# Allegro board FMDEMOD-Long.brd (continued)
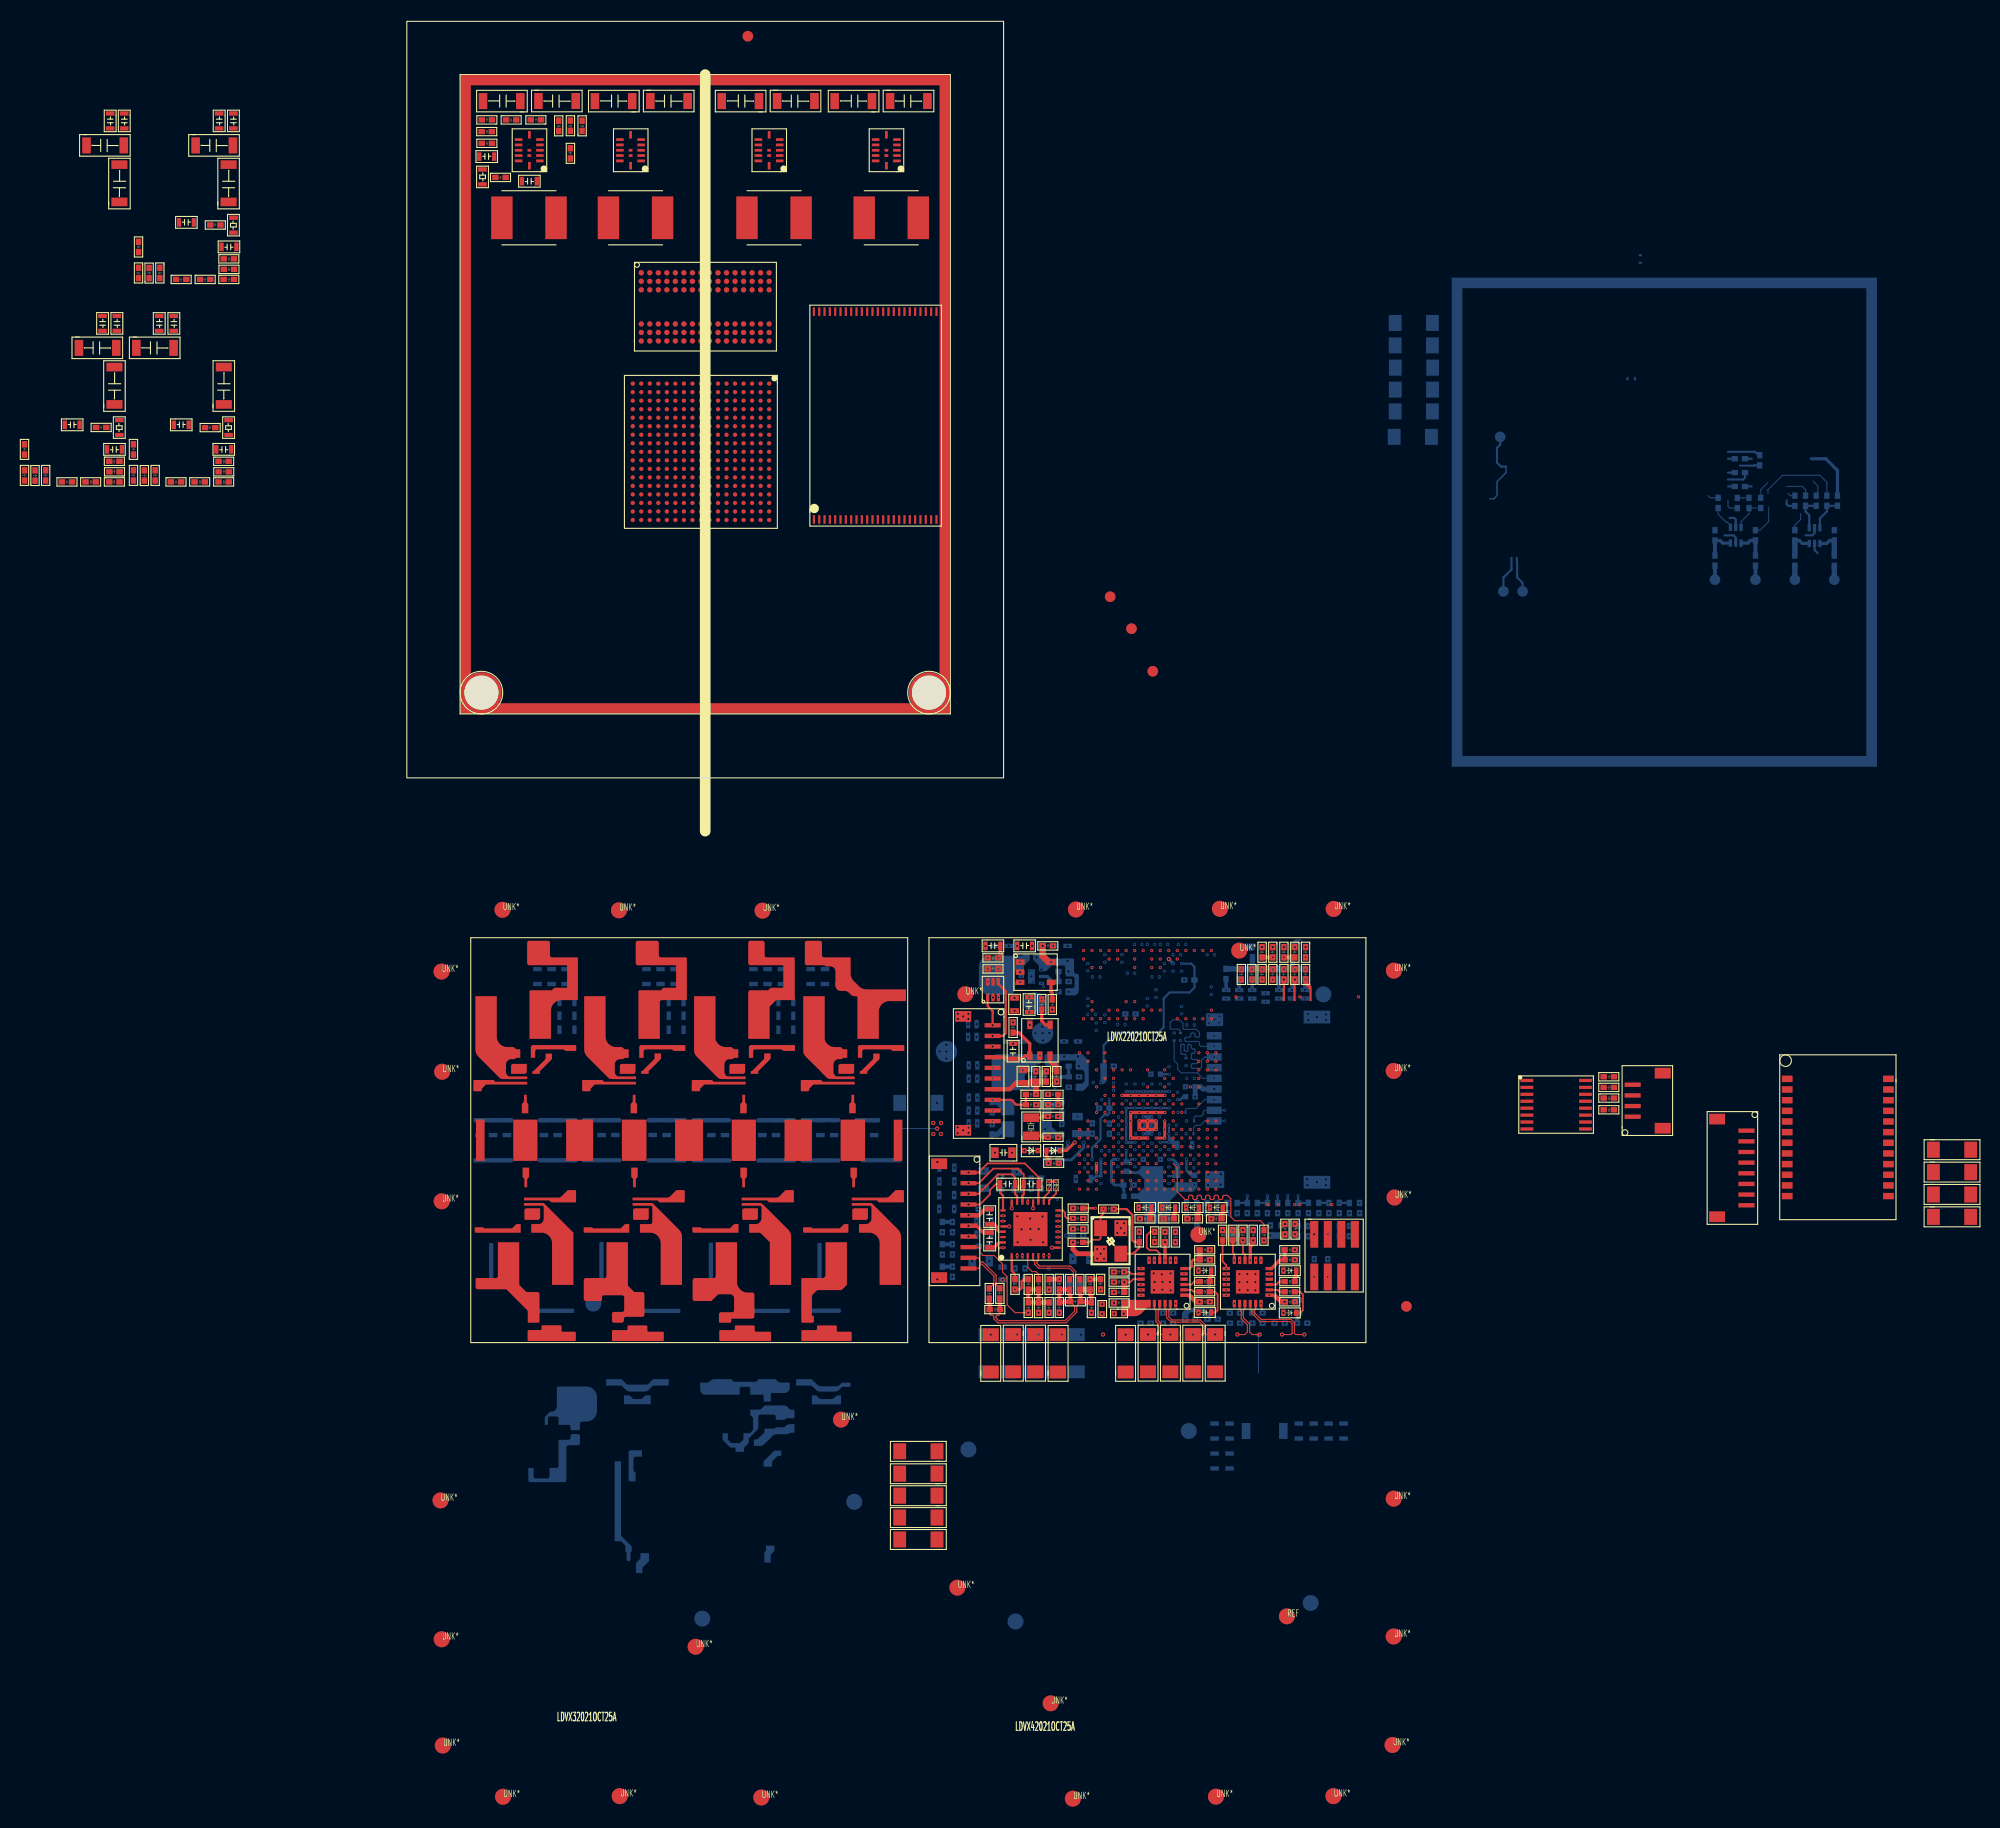
[diagram p0: board, top side]
## Copper pours and planes (outline as drawn; the poured copper is in the pictures) (continued)
DRAM_VREF on BOTTOM (solid shape): 65.68,-28.38 65.67,-28.46 65.62,-28.53 65.47,-28.68 65.4,-28.73 65.33,-28.74 65.02,-28.74 65.02,-28.44 65.02,-28.44 65.07,-28.37 65.08,-28.3 65.08,-26.81 65.68,-26.81
HP_L on TOP (solid shape): 56.2,-43.69 55.78,-43.69 55.7,-43.71 55.64,-43.75 55.12,-44.27 55.1,-44.28 54.3,-44.28 54.3,-43.88 55.02,-43.88 55.09,-43.86 55.16,-43.82 55.43,-43.55 55.49,-43.51 55.57,-43.49 56.2,-43.49
HP_R on TOP (solid shape): 55.44,-42.01 55.48,-42.08 55.5,-42.15 55.5,-42.33 55.51,-42.41 55.56,-42.47 55.58,-42.49 56.2,-42.49 56.2,-42.69 55.58,-42.69 55.51,-42.68 55.44,-42.64 55.36,-42.55 55.31,-42.49 55.3,-42.41 55.3,-42.32 55.28,-42.24 55.24,-42.17 55.2,-42.13 55.13,-42.09 55.06,-42.07 54.3,-42.07 54.3,-41.67 55.1,-41.67
Net_1 on PWR-L6: 85.5,-66.63 89.83,-66.63 89.9,-66.57 89.9,-62.56 89.78,-62.44 75.11,-62.44 74.57,-62.99 74.57,-70.97 73.43,-72.11 73.01,-72.11 73.01,-73.62 73.03,-73.63 73.03,-74.72 73.01,-74.74 73.01,-75.85 72.58,-76.28 71.01,-76.28 70.78,-76.04 70,-76.04 69.46,-75.51 69.46,-73.91 69.18,-73.63 68.28,-73.63 68.2,-73.71 68.2,-75.01 67.95,-75.26 67.95,-75.78 67.79,-75.94 62.31,-75.94 62.28,-75.91 62.28,-73.63 62.2,-73.54 61.54,-73.54 61.42,-73.66 61.42,-77.01 61.69,-77.28 76.36,-77.28 76.69,-76.95 78.33,-76.95 78.4,-76.88 78.55,-76.73 78.55,-76.15 79.09,-75.61 83.25,-75.61 83.96,-74.89 83.96,-72.56 83.35,-71.94 77.14,-71.94 77.13,-71.95 76.44,-71.26 76.44,-66.86 76.96,-66.34 80.12,-66.34 80.44,-66.66 85.17,-66.66 85.2,-66.63 85.49,-66.63
Net_15 on BOTTOM (solid shape): 20.11,-71.14 21.1,-72.13 21.1,-72.63 20.5,-72.63 20.5,-72.12 20.49,-72.04 20.45,-71.98 20.16,-71.7 20.1,-71.65 20.02,-71.64 19.5,-71.64 19.5,-64.14 20.11,-64.14
Net_16 on SIGNAL-L4: 28.84,-60.59 28.84,-66.26 36.58,-66.26 36.92,-65.93 36.92,-61.04 35.97,-60.08 29.35,-60.08
Net_17 on PWR-L6: outline of 107 points within 16.96,-92.89 45.67,-57.45
Net_19 on BOTTOM (solid shape): 36.38,-61.45 35.98,-61.45 35.82,-61.56 35.62,-61.6 34.68,-61.6 34.49,-61.64 34.32,-61.75 33.53,-62.54 33.37,-62.65 33.18,-62.69 32.57,-62.69 32.57,-62.09 32.89,-62.09 33,-61.97 33.57,-61.4 33.57,-61.07 34.42,-61.07 34.5,-61.05 34.56,-61.01 34.62,-60.95 35.42,-60.95 35.57,-60.8 35.73,-60.69 35.93,-60.66 36.38,-60.66
Net_20 on PWR-L6: 23.44,-72.5 22.94,-73 22.94,-74.83 22.63,-75.14 21.3,-75.14 20.99,-74.83 20.99,-74.13 21.86,-73.25 21.86,-71.5 21.31,-70.95 21.31,-64.69 22.73,-63.27 24.97,-63.27 25.57,-62.67 26.26,-62.67 26.55,-62.96 28.05,-62.96 28.82,-63.72 32.67,-63.72 34.73,-61.65 35.48,-61.65 35.63,-61.5 35.63,-60.83 34.82,-60.83 34.42,-61.22 34.27,-61.22 33.87,-60.82 33.57,-60.82 33.55,-60.84 29.7,-60.84 29.51,-61.04 29.51,-60.77 29.44,-60.7 28.45,-60.7 27.2,-61.95 24.66,-61.95 24.66,-61.95 24.34,-61.95 23.65,-61.27 21.34,-61.27 19.35,-63.26 19.35,-65.04 19.8,-65.5 20.57,-65.5 20.66,-65.59 20.66,-71.38 20.09,-71.95 20.09,-74.01 20.53,-74.44 20.53,-75.12 21.08,-75.67 22.64,-75.67 23.61,-74.71 28.13,-74.71 28.75,-75.33 31.66,-75.33 32.4,-74.59 32.4,-74.31 32.46,-74.31 32.72,-74.05 32.72,-72.8 32.43,-72.5 31.65,-72.5
Net_21 on TOP (solid shape): 10.68,-42.68 6.48,-42.68 6.41,-42.65 6.38,-42.58 6.38,-42.18 7.18,-42.18 7.21,-42.25 7.28,-42.28 9.8,-42.28 9.87,-42.26 9.94,-42.22 10.28,-41.88 10.68,-41.88
Net_22 on PWR-L6: 22.37,-89.59 22.7,-89.92 27.96,-89.92 27.98,-89.91 30.6,-89.91 30.8,-89.7 30.8,-88.44 30.88,-88.37 31.94,-88.37 31.95,-88.38 32.7,-87.63 34.36,-87.63 35.2,-88.47 35.2,-92.46 14.73,-92.46 14.73,-89.03 15.64,-88.12 16.37,-88.12 16.88,-87.6 16.88,-83.84 17.45,-83.27 22,-83.27 22.37,-83.64
Net_23 on PWR-L6: 39.75,-78.34 39.75,-65.66 40.12,-65.3 40.12,-62.79 40.46,-62.45 45.65,-62.45 45.65,-78.45 45.58,-78.53 39.94,-78.53
Net_25 on PWR-L6: 37.85,-57.86 40.79,-57.86 40.9,-57.97 40.9,-58.79 40.79,-58.9 40.27,-58.9 39.99,-59.18 39.99,-64.49 38.93,-65.54 35.58,-65.54 34.79,-66.33 34.79,-71.49 34.79,-71.5 34.79,-73.97 34.4,-74.36 33.15,-74.36 33.15,-73.13 32.86,-72.84 32.86,-72.66 32.51,-72.31 23.24,-72.31 23.24,-72.33 22.86,-72.72 21.99,-72.72 21.99,-64.71 23.37,-63.33 24.98,-63.33 25.5,-62.82 26.14,-62.82 26.45,-63.12 27.96,-63.12 28.18,-63.34 28.18,-63.69 28.62,-64.13 32.99,-64.13 33.77,-63.35 33.77,-62.72 33.94,-62.54 33.95,-62.54 34.13,-62.36 34.89,-62.36 35.5,-62.97 35.5,-63.32 34.83,-63.99 34.83,-64.38 35.29,-64.84 37.39,-64.84 38.77,-63.45 38.77,-58.73 38.65,-58.61 37.85,-58.61 37.82,-58.57 37.82,-57.89
Net_28 on PWR-L6: 6.56,-73.99 15.04,-73.99 15.53,-74.48 15.53,-82.59 16.38,-83.44 16.38,-87.4 15.91,-87.87 15.32,-87.87 14.31,-88.88 14.31,-92.46 6.56,-92.46
Net_29 on TOP (solid shape): 11.47,-37.42 11.46,-37.46 11.44,-37.49 11.32,-37.61 11.3,-37.64 11.29,-37.68 11.29,-38.42 11.04,-38.42 11.04,-37.68 11.03,-37.64 11.01,-37.61 10.9,-37.49 10.88,-37.46 10.87,-37.42 10.87,-36.58 11.47,-36.58
Net_30 on TOP (solid shape): 23,-39.9 23.03,-39.9 23.07,-39.93 25.53,-42.39 25.75,-42.71 25.82,-43.1 25.82,-47.58 23.82,-47.58 23.82,-43.68 23.53,-42.97 22.82,-42.68 21.88,-42.68 21.88,-41.88 22.84,-41.88 22.98,-41.82 23.04,-41.68 23.04,-40.29 23.03,-40.25 23.01,-40.22 22.97,-40.18 22.94,-40.15 22.9,-40.15 21.18,-40.15 21.18,-39.9
Net_31 on TOP (solid shape): 43.48,-39.9 43.6,-39.92 43.7,-39.98 46.08,-42.37 46.3,-42.69 46.37,-43.08 46.37,-47.58 44.37,-47.58 44.37,-43.68 44.08,-42.97 43.37,-42.68 42.43,-42.68 42.43,-41.88 43.07,-41.88 43.26,-41.84 43.42,-41.73 43.46,-41.69 43.57,-41.53 43.61,-41.33 43.61,-40.29 43.6,-40.25 43.58,-40.22 43.54,-40.18 43.51,-40.15 43.47,-40.15 41.76,-40.15 41.76,-39.9
Net_32 on TOP (solid shape): 31.12,-42.68 26.9,-42.68 26.83,-42.65 26.8,-42.58 26.8,-42.18 27.6,-42.18 27.63,-42.25 27.7,-42.28 30.28,-42.28 30.32,-42.27 30.35,-42.25 30.72,-41.88 31.12,-41.88
Net_33 on TOP (solid shape): 21.66,-37.42 21.65,-37.46 21.63,-37.49 21.51,-37.61 21.49,-37.64 21.48,-37.68 21.48,-38.42 21.23,-38.42 21.23,-37.68 21.23,-37.64 21.21,-37.61 21.09,-37.49 21.07,-37.46 21.06,-37.42 21.06,-36.58 21.66,-36.58
Net_34 on PWR-L6 (solid shape): 41.46,-61.06 42.04,-61.64 42.64,-61.64 42.64,-62.14 41.48,-62.14 41.44,-62.1 40.64,-62.1 40.64,-61.45 40.66,-61.43 40.66,-60.65 41.46,-60.65
Net_37 on BOTTOM (solid shape): 16.04,-61.58 16.19,-61.64 16.24,-61.78 16.24,-62.43 16.19,-62.58 16.04,-62.63 15.17,-62.63 15.03,-62.69 14.97,-62.83 14.97,-65.61 14.97,-65.61 14.97,-65.89 14.91,-66.03 14.77,-66.09 11.6,-66.09 11.46,-66.03 11.4,-65.89 11.4,-64.76 11.9,-64.76 11.9,-65.55 11.96,-65.69 12.1,-65.75 13.19,-65.75 13.33,-65.69 13.39,-65.55 13.39,-64.75 14.04,-64.75 14.18,-64.7 14.24,-64.55 14.24,-62.11 15.16,-62.11 15.31,-62.05 15.36,-61.91 15.36,-61.78 15.42,-61.64 15.56,-61.58
Net_38 on PWR-L6: 18.15,-82.6 22.93,-82.6 23.36,-82.16 23.36,-80.07 23.21,-79.92 17.27,-79.92 16.81,-79.47 16.81,-61.89 16.33,-61.42 14.2,-61.42 13.96,-61.18 11.14,-61.18 9.71,-59.75 6.37,-59.75 6.19,-59.93 6.19,-73.2 6.42,-73.43 15.24,-73.43 15.88,-74.08 15.88,-81.36 16.21,-81.69 17.24,-81.69
Net_39 on TOP (solid shape): 10.55,-47.5 10.56,-47.57 10.61,-47.64 11.16,-48.2 11.23,-48.24 11.3,-48.25 12.25,-48.25 12.39,-48.31 12.45,-48.45 12.45,-51.03 12.42,-51.1 12.34,-51.13 11.45,-51.13 11.38,-51.1 11.35,-51.03 11.35,-50.08 11.34,-50.01 11.29,-49.94 9.4,-48.05 9.34,-48.01 9.26,-48 6.66,-48 6.52,-47.94 6.46,-47.8 6.46,-46.94 8.35,-46.94 8.49,-46.89 8.55,-46.75 8.55,-46.72 8.55,-43.58 10.55,-43.58
Net_43 on BOTTOM (solid shape): 20.6,-56.88 20.66,-56.92 20.74,-56.94 22.52,-56.94 22.59,-56.92 22.66,-56.88 23.11,-56.43 24.58,-56.43 24.58,-57.03 23.19,-57.03 23.11,-57.05 23.05,-57.09 22.7,-57.44 22.53,-57.55 22.34,-57.59 20.91,-57.59 20.72,-57.55 20.56,-57.44 20.21,-57.09 20.15,-57.05 20.07,-57.03 18.7,-57.03 18.7,-56.43 20.15,-56.43
Net_45 on PWR-L6: 18.05,-55.17 18.05,-56.89 18.75,-57.59 22.55,-57.59 23.05,-57.09 25.38,-57.09 26.01,-56.46 26.01,-55.61 25.5,-55.09 18.13,-55.09
Net_46 on TOP (solid shape): 20.74,-47.58 20.76,-47.65 20.8,-47.72 21.28,-48.2 21.35,-48.24 21.42,-48.25 22.09,-48.25 22.23,-48.31 22.29,-48.45 22.29,-50.38 22.23,-50.52 22.09,-50.58 20.56,-50.58 20.42,-50.64 20.37,-50.78 20.37,-50.93 20.31,-51.07 20.16,-51.13 19.45,-51.13 19.31,-51.07 19.25,-50.93 19.25,-50.61 19.25,-50.32 19.31,-50.18 19.45,-50.12 20.2,-50.12 20.35,-50.06 20.4,-49.92 20.4,-48.76 20.35,-48.62 20.2,-48.56 18.51,-48.56 18.37,-48.62 18.31,-48.76 18.31,-49.1 16.81,-49.1 16.67,-49.04 16.61,-48.9 16.61,-47.14 16.67,-47 16.81,-46.94 18.54,-46.94 18.69,-46.89 18.74,-46.75 18.74,-43.58 20.74,-43.58
Net_50 on BOTTOM (solid shape): 35.37,-58.9 35.56,-58.94 35.73,-59.04 35.98,-59.3 36.38,-59.3 36.38,-60.1 35.78,-60.1 35.59,-60.13 35.43,-60.24 35.42,-60.25 34.62,-60.25 34.62,-59.95 34.56,-59.81 34.42,-59.75 33.19,-59.75 33.05,-59.81 32.99,-59.95 32.99,-61.02 32.97,-61.1 32.93,-61.16 32.08,-62.01 32.08,-62.33 32.07,-62.4 32.03,-62.47 31.64,-62.85 31.64,-63.25 30.84,-63.25 30.84,-62.85 30.44,-62.85 30.37,-62.83 30.3,-62.79 29.63,-62.11 29.63,-61.51 30.13,-61.51 30.13,-62.11 30.38,-62.37 30.45,-62.41 30.52,-62.43 31.18,-62.43 31.25,-62.41 31.32,-62.37 31.58,-62.1 31.58,-61.5 32.1,-61.5 32.18,-61.49 32.24,-61.44 32.43,-61.26 32.47,-61.19 32.49,-61.12 32.49,-60.13 32.47,-60.05 32.43,-59.99 32.24,-59.79 32.24,-59.29 33.09,-59.29 33.17,-59.28 33.23,-59.24 33.57,-58.9
Net_51 on TOP (solid shape): 30.98,-47.3 31.28,-48.01 31.98,-48.3 32.41,-48.3 32.55,-48.36 32.61,-48.5 32.61,-50.54 32.55,-50.69 32.41,-50.74 30.54,-50.74 30.47,-50.77 30.44,-50.84 30.44,-51.03 30.41,-51.1 30.34,-51.13 29.39,-51.13 29.32,-51.1 29.29,-51.03 29.29,-50.35 29.35,-50.21 29.49,-50.15 30.51,-50.15 30.65,-50.09 30.71,-49.95 30.71,-48.78 30.7,-48.71 30.65,-48.64 30.54,-48.52 30.47,-48.48 30.39,-48.46 29.3,-48.46 29.22,-48.48 29.16,-48.52 28.58,-49.1 27.03,-49.1 26.88,-49.04 26.83,-48.9 26.83,-47.14 26.88,-47 27.03,-46.94 28.79,-46.94 28.93,-46.89 28.98,-46.75 28.98,-43.58 30.98,-43.58
Net_55 on BOTTOM (solid shape): 38.51,-56.95 38.68,-57.06 38.87,-57.1 40.28,-57.1 40.47,-57.06 40.63,-56.95 40.83,-56.75 41.63,-56.75 41.63,-57.15 40.83,-57.15 40.53,-57.45 40.37,-57.56 40.18,-57.6 38.77,-57.6 38.58,-57.56 38.41,-57.45 38.14,-57.18 37.98,-57.07 37.79,-57.03 36.53,-57.03 36.53,-56.43 38,-56.43
Net_57 on PWR-L6: 36.37,-55.14 36.37,-57.18 36.52,-57.33 37.97,-57.33 38.04,-57.25 38.36,-57.25 38.74,-57.63 40.13,-57.63 40.47,-57.29 41.73,-57.29 41.9,-57.13 41.9,-55.16 41.85,-55.11 36.39,-55.11
Net_61 on TOP (solid shape): 41.29,-47.58 40.86,-48.01 40.8,-48.05 40.72,-48.07 38.59,-48.07 38.51,-48.09 38.45,-48.13 38.07,-48.51 38.03,-48.57 38.01,-48.65 38.01,-50.47 38.02,-50.48 38.09,-50.48 38.16,-50.51 38.19,-50.58 38.19,-51.03 38.16,-51.1 38.09,-51.13 37.12,-51.13 37.05,-51.1 37.02,-51.03 37.02,-47.05 37.05,-46.97 37.12,-46.94 38.99,-46.94 39.21,-46.86 39.29,-46.64 39.29,-43.58 41.29,-43.58
Net_66 on TOP (solid shape): 33.07,-39.9 33.27,-39.93 33.43,-40.04 35.77,-42.39 35.99,-42.71 36.06,-43.09 36.06,-47.58 34.06,-47.58 34.06,-43.58 33.31,-42.83 33.15,-42.72 32.96,-42.68 32.12,-42.68 32.12,-41.88 32.74,-41.88 32.93,-41.84 33.09,-41.73 33.14,-41.69 33.25,-41.53 33.28,-41.33 33.28,-40.29 33.28,-40.25 33.25,-40.22 33.21,-40.18 33.18,-40.15 33.14,-40.15 31.43,-40.15 31.43,-39.9
Net_67 on TOP (solid shape): 12.8,-39.9 12.84,-39.9 12.87,-39.93 15.6,-42.65 15.62,-42.68 15.63,-42.72 15.63,-47.58 13.63,-47.58 13.63,-43.68 13.33,-42.97 12.63,-42.68 11.68,-42.68 11.68,-41.88 12.35,-41.88 12.7,-41.73 12.85,-41.38 12.85,-40.29 12.84,-40.25 12.82,-40.22 12.78,-40.18 12.74,-40.15 12.71,-40.15 10.99,-40.15 10.99,-39.9
Net_68 on TOP (solid shape): 20.88,-42.68 16.7,-42.68 16.63,-42.65 16.6,-42.58 16.6,-42.18 17.4,-42.18 17.43,-42.25 17.5,-42.28 20.03,-42.28 20.07,-42.27 20.1,-42.25 20.48,-41.88 20.88,-41.88
Net_69 on TOP (solid shape): 31.91,-37.42 31.9,-37.46 31.88,-37.49 31.76,-37.61 31.74,-37.64 31.73,-37.68 31.73,-38.42 31.48,-38.42 31.48,-37.68 31.47,-37.64 31.45,-37.61 31.34,-37.49 31.31,-37.46 31.31,-37.42 31.31,-36.58 31.91,-36.58
Net_70 on TOP (solid shape): 42.23,-37.42 42.23,-37.46 42.2,-37.49 42.08,-37.61 42.06,-37.64 42.05,-37.68 42.05,-38.42 41.8,-38.42 41.8,-37.67 41.8,-37.64 41.78,-37.6 41.66,-37.49 41.64,-37.46 41.63,-37.42 41.63,-36.58 42.23,-36.58
Net_71 on TOP (solid shape): 41.43,-42.68 37.29,-42.68 37.22,-42.65 37.19,-42.58 37.19,-42.18 37.99,-42.18 38.02,-42.25 38.09,-42.28 40.59,-42.28 40.63,-42.27 40.66,-42.25 41.03,-41.88 41.43,-41.88
Net_73 on BOTTOM (solid shape): 16.84,-57.12 17.55,-57.42 17.84,-58.12 17.84,-59.41 17.55,-60.12 16.84,-60.41 16.44,-60.41 16.3,-60.47 16.24,-60.61 16.24,-61.12 16.21,-61.19 16.14,-61.22 15.46,-61.22 15.39,-61.19 15.36,-61.12 15.36,-60.91 15.31,-60.77 15.16,-60.71 14.24,-60.71 14.24,-60.07 14.23,-60.03 14.2,-59.99 14.14,-59.95 14.06,-59.93 13.42,-59.93 13.34,-59.95 13.28,-59.99 13.25,-60.03 13.24,-60.07 13.24,-60.71 12.94,-60.71 12.94,-60.07 12.96,-60 13,-59.93 13.4,-59.53 13.46,-59.49 13.54,-59.47 13.58,-59.47 13.94,-59.33 14.08,-58.97 14.08,-57.12
Net_74 on PWR-L6: 17.48,-55.22 17.48,-58.36 17.08,-58.36 16.84,-58.6 16.84,-60.69 16.68,-60.85 14.34,-60.85 14.18,-60.68 11.78,-60.68 10.4,-59.3 10.4,-55.25 10.5,-55.15 17.42,-55.15
Net_76 on BOTTOM (solid shape): 30.53,-56.47 30.58,-56.62 30.73,-56.67 32.74,-56.67 32.88,-56.62 32.94,-56.47 32.94,-56.43 34.61,-56.43 34.78,-56.61 34.94,-56.71 35.13,-56.75 35.93,-56.75 35.93,-57.23 35.79,-57.58 35.43,-57.73 34.26,-57.73 34.19,-57.76 34.16,-57.83 34.16,-58.44 34.13,-58.51 34.06,-58.54 33.58,-58.54 33.51,-58.51 33.48,-58.44 33.48,-57.99 33.45,-57.92 33.38,-57.89 32.24,-57.89 32.24,-57.35 32.18,-57.21 32.04,-57.15 31.44,-57.15 31.29,-57.21 31.24,-57.35 31.24,-57.89 28.03,-57.89 27.68,-57.75 27.53,-57.39 27.53,-56.75 28.13,-56.75 28.32,-56.71 28.48,-56.61 28.51,-56.58 28.67,-56.47 28.86,-56.43 30.53,-56.43
Net_77 on PWR-L6: 27.91,-58.13 33.01,-58.13 33.41,-58.52 35.09,-58.52 36.16,-57.45 36.16,-55.18 36.11,-55.14 26.85,-55.14 26.48,-55.51 26.48,-56.69
Net_78 on BOTTOM (solid shape): 34.5,-72.55 34.21,-72.84 34.16,-72.91 34.15,-72.98 34.15,-73.63 33.55,-73.63 33.55,-72.78 33.56,-72.71 33.61,-72.64 33.7,-72.55 33.7,-72.05 34.5,-72.05
Net_79 on BOTTOM (solid shape): 22.07,-63.71 21.47,-63.71 21.33,-63.77 21.27,-63.91 21.27,-64.94 21.28,-65.02 21.33,-65.08 21.46,-65.22 21.46,-66.02 20.91,-66.02 20.84,-65.99 20.81,-65.92 20.81,-63.31 20.87,-63.17 21.01,-63.11 22.07,-63.11
Net_80 on BOTTOM (solid shape): 22.73,-73.43 22.71,-73.5 22.67,-73.57 22.16,-74.08 22.12,-74.14 22.1,-74.22 22.1,-74.63 21.5,-74.63 21.5,-73.77 21.52,-73.69 21.56,-73.63 21.87,-73.32 21.91,-73.25 21.93,-73.18 21.93,-72.76 22.73,-72.76
Net_81 on BOTTOM (solid shape): 35.14,-63.64 34.87,-63.64 34.79,-63.65 34.73,-63.69 34.33,-64.09 34.29,-64.16 34.27,-64.23 34.27,-64.65 33.47,-64.65 33.47,-64.15 34.46,-63.17 34.49,-63.14 34.53,-63.14 35.14,-63.14
Net_82 on PWR-L6: 78.34,-77.8 78.34,-81.18 76.14,-81.18 75.14,-80.17 72.54,-80.17 72.48,-80.11 72.48,-78.14 72.53,-78.08 76.69,-78.08 77.03,-77.75 78.29,-77.75
Net_89 on PWR-L6: 60.45,-77.8 60.95,-77.8 61.05,-77.89 61.05,-78.88 63.49,-78.88 63.49,-77.76 66.53,-77.76 66.53,-81.16 66.22,-81.48 63.41,-81.48 63.36,-81.43 63.36,-80.9 62.71,-80.25 62.25,-80.25 62.24,-80.24 61.97,-80.24 61.75,-80.02 60.59,-80.02 60.48,-79.9 60.45,-79.9 60.34,-79.79 60.34,-77.91
Net_91 on PWR-L6: 77.66,-67.18 89.95,-67.18 89.95,-78.72 89.77,-78.89 84.2,-78.89 83.69,-79.4 83.69,-79.88 82.73,-80.83 81.99,-80.83 80.47,-82.35 69.17,-82.35 67.51,-80.69 67.51,-80.58 67.06,-80.13 67.06,-79.22 67.25,-79.03 69.77,-79.03 72.61,-81.88 79.12,-81.88 79.26,-81.74 79.26,-80.2 79.19,-80.14 79.19,-76.46 79.56,-76.09 80.11,-76.09 80.23,-76.21 80.23,-76.39 83.62,-76.39 84.67,-75.34 84.67,-72.03 84.1,-71.46 77.96,-71.46 77.27,-70.77 77.27,-67.57
NVCC_CSI on PWR-L6: 71.61,-27.3 70.54,-27.3 70.38,-27.46 70.38,-28.16 70.68,-28.46 72.09,-28.46 72.22,-28.33 72.22,-27.9
NVCC_ENET on BOTTOM (solid shape): 72.57,-36.28 72.57,-37.55 71.88,-37.55 71.8,-37.47 71.37,-37.47 71.37,-37.27 71.85,-37.27 72.07,-37.05 72.07,-36.22 71.76,-35.91 71.37,-35.91 71.37,-35.71 72,-35.71
NVCC_LCD on BOTTOM (solid shape): 73.26,-36.75 73.56,-37.05 74.17,-37.05 74.17,-37.55 73.67,-37.55 73.06,-36.94 73.06,-35.65 73.26,-35.65
PHY1_3V3 on TOP (solid shape): 81.47,-48.4 81.55,-48.42 81.61,-48.46 82.01,-48.86 82.08,-48.9 82.15,-48.92 82.67,-48.92 82.67,-49.42 82.08,-49.42 82,-49.4 81.94,-49.36 81.34,-48.76 81.27,-48.72 81.2,-48.7 80.58,-48.7 80.58,-48.4
PHY1_3V3 on PWR-L6: 76.59,-51.22 76.59,-52.45 85.89,-52.45 85.89,-50.9 81.62,-50.9 81.33,-50.61 81.33,-49.73 81.6,-49.45 81.61,-49.46 82.53,-49.46 82.77,-49.21 82.77,-48.64 82.24,-48.11 77.41,-48.11 77.41,-48.53 77.3,-48.64 77.3,-50.51
PHY2_3V3 on TOP (solid shape): 69.8,-49.69 69.58,-49.69 69.51,-49.71 69.44,-49.75 68.96,-50.23 68.63,-50.45 68.25,-50.52 67.03,-50.52 67.03,-49.55 67.02,-49.53 67.02,-49.01 67.03,-49 67.04,-48.99 69.8,-48.99
PHY2_3V3 on TOP (solid shape): 73.37,-48.4 73.56,-48.44 73.72,-48.55 74.03,-48.86 74.1,-48.9 74.17,-48.92 74.69,-48.92 74.69,-49.42 74.08,-49.42 74,-49.4 73.94,-49.36 73.34,-48.76 73.27,-48.72 73.2,-48.7 72.58,-48.7 72.58,-48.4
PHY2_3V3 on BOTTOM (solid shape): 74.79,-49.77 74.87,-49.79 74.93,-49.83 75.38,-50.28 75.42,-50.34 75.44,-50.42 75.44,-51.06 74.83,-51.06 74.83,-50.45 74.82,-50.37 74.78,-50.31 74.68,-50.21 74.62,-50.17 74.54,-50.15 73.63,-50.15 73.56,-50.17 73.49,-50.21 73.4,-50.31 73.35,-50.37 73.34,-50.45 73.34,-51.06 72.74,-51.06 72.74,-50.56 72.74,-50.55 72.74,-50.27 72.75,-50.2 72.8,-50.13 73.09,-49.83 73.16,-49.79 73.23,-49.77
PHY2_3V3 on PWR-L6: 67.04,-52.45 75.66,-52.45 75.66,-51.2 74.46,-51.2 74.16,-50.89 73.83,-50.89 73.6,-50.67 73.61,-50.65 73.61,-49.85 74.03,-49.43 74.05,-49.45 74.77,-49.45 74.77,-48.93 74.68,-48.84 68.72,-48.84 67.51,-50.05 67.35,-50.05
VENET_3V3 on TOP (solid shape): 71.4,-43.87 71.36,-43.91 71.32,-43.97 71.3,-44.05 71.3,-45.62 71,-45.62 71,-44.06 70.98,-43.98 70.94,-43.91 70.9,-43.87 70.9,-43.27 71.4,-43.27
VENET_3V3 on TOP (solid shape): 79.67,-43.7 79.36,-44.02 79.32,-44.08 79.3,-44.16 79.3,-45.62 79,-45.62 79,-43.96 79.02,-43.88 79.06,-43.82 79.12,-43.76 79.16,-43.7 79.17,-43.62 79.17,-43.1 79.67,-43.1
VENET_3V3 on PWR-L6: 64.74,-50.07 64.74,-52.45 66.9,-52.45 66.9,-49.93 67.98,-48.84 68.04,-48.84 68.19,-48.69 75.82,-48.69 76.08,-48.95 76.08,-49.47 75.84,-49.71 74.1,-49.71 73.84,-49.97 73.84,-50.33 74.06,-50.54 76.37,-50.54 76.93,-49.98 76.93,-49.7 76.91,-49.68 76.91,-48.12 77.15,-47.88 82.23,-47.88 82.92,-48.57 82.92,-49.28 82.51,-49.7 81.73,-49.7 81.65,-49.78 81.65,-50.58 81.74,-50.67 82.78,-50.67 83,-50.46 83,-50.03 83.53,-49.5 83.63,-49.5 83.69,-49.44 84.79,-49.44 84.79,-45.34 83.46,-44 80.55,-44 79.99,-43.44 79.99,-42.64 79.07,-41.72 76.02,-41.72 75.05,-42.69 68.57,-42.69 64.75,-46.5 64.75,-48.15 65.57,-48.97 65.57,-49.85 65.45,-49.96 64.84,-49.96
N6357472 on TOP (solid shape): 54.04,-42.42 54.11,-42.46 54.18,-42.48 55.1,-42.48 55.1,-42.88 54.18,-42.88 54.11,-42.86 54.04,-42.82 53.49,-42.27 53.46,-42.25 53.42,-42.24 51.96,-42.24 51.96,-41.84 53.46,-41.84
N6357497 on TOP (solid shape): 55.1,-40.67 54.34,-40.67 54.3,-40.68 54.27,-40.7 53.79,-41.18 53.73,-41.22 53.65,-41.24 51.96,-41.24 51.96,-40.84 53.57,-40.84 53.64,-40.82 53.71,-40.78 54.16,-40.33 54.22,-40.29 54.3,-40.27 55.1,-40.27
N8184327 on TOP (solid shape): 13.63,-26.39 12.48,-27.53 12.48,-27.77 11.78,-27.77 11.78,-27.52 11.85,-27.52 11.89,-27.51 11.92,-27.49 13,-26.41 13.02,-26.38 13.03,-26.34 13.03,-25.89 13.63,-25.89
N8184729 on TOP (solid shape): 11.25,-30.42 11.25,-30.45 11.28,-30.49 11.37,-30.58 11.39,-30.61 11.4,-30.65 11.4,-31.47 10.8,-31.47 10.8,-30.65 10.8,-30.61 10.83,-30.58 10.97,-30.43 10.99,-30.4 11,-30.36 11,-29.75 11.25,-29.75
N8185024 on TOP (solid shape): 8.44,-24.26 8.73,-24.97 9.44,-25.26 9.95,-25.26 10.03,-25.28 10.09,-25.32 10.18,-25.42 10.25,-25.46 10.32,-25.47 10.64,-25.47 10.64,-26.27 10.32,-26.27 10.25,-26.29 10.18,-26.33 10.18,-26.34 10.11,-26.38 10.04,-26.4 9.8,-26.4 9.45,-26.54 9.3,-26.9 9.3,-27.57 9.34,-27.77 9.45,-27.93 9.49,-27.96 9.55,-28.01 9.63,-28.02 11.3,-28.02 11.3,-28.27 9.44,-28.27 9.44,-28.27 9.03,-28.27 8.84,-28.23 8.68,-28.12 6.73,-26.17 6.51,-25.85 6.44,-25.47 6.44,-20.49 8.44,-20.49
N8185070 on TOP (solid shape): 15.79,-25.08 15.86,-25.11 15.89,-25.18 15.89,-25.63 14.97,-25.63 14.89,-25.61 14.82,-25.57 14.79,-25.53 14.72,-25.49 14.65,-25.47 12.24,-25.47 12.1,-25.53 12.04,-25.67 12.04,-26.27 11.64,-26.27 11.64,-25.28 11.7,-25.14 11.84,-25.08
N8189538 on TOP (solid shape): 26.03,-25.08 26.1,-25.11 26.13,-25.18 26.13,-25.63 25.14,-25.63 25.06,-25.61 25,-25.57 24.96,-25.53 24.89,-25.49 24.82,-25.47 22.41,-25.47 22.27,-25.53 22.21,-25.67 22.21,-26.27 21.82,-26.27 21.82,-25.28 21.87,-25.14 22.02,-25.08
N8189634 on TOP (solid shape): 18.65,-24.26 18.94,-24.97 19.65,-25.26 20.12,-25.26 20.2,-25.28 20.26,-25.32 20.36,-25.42 20.42,-25.46 20.5,-25.47 20.81,-25.47 20.81,-26.27 20.5,-26.27 20.42,-26.29 20.36,-26.33 20.35,-26.34 20.29,-26.38 20.21,-26.4 20.01,-26.4 19.66,-26.54 19.51,-26.9 19.51,-27.57 19.55,-27.77 19.66,-27.93 19.69,-27.96 19.76,-28.01 19.83,-28.02 21.5,-28.02 21.5,-28.27 19.65,-28.27 19.65,-28.27 19.24,-28.27 19.05,-28.23 18.89,-28.12 16.94,-26.17 16.72,-25.85 16.65,-25.47 16.65,-20.49 18.65,-20.49
N8190068 on TOP (solid shape): 23.85,-26.37 22.69,-27.52 22.69,-27.77 21.99,-27.77 21.99,-27.52 22.05,-27.52 22.09,-27.51 22.12,-27.49 23.22,-26.4 23.24,-26.36 23.25,-26.32 23.25,-25.87 23.85,-25.87
N8190080 on TOP (solid shape): 21.45,-30.41 21.46,-30.45 21.48,-30.49 21.58,-30.58 21.6,-30.61 21.61,-30.65 21.61,-31.47 21,-31.47 21,-30.65 21.01,-30.61 21.03,-30.58 21.18,-30.44 21.2,-30.4 21.2,-30.36 21.2,-29.75 21.45,-29.75
N8193329 on TOP (solid shape): 36.32,-25.08 36.39,-25.11 36.42,-25.18 36.42,-25.63 35.42,-25.63 35.35,-25.61 35.28,-25.57 35.24,-25.53 35.18,-25.49 35.1,-25.47 32.7,-25.47 32.56,-25.53 32.5,-25.67 32.5,-26.27 32.1,-26.27 32.1,-25.28 32.16,-25.14 32.3,-25.08
N8193425 on TOP (solid shape): 28.96,-24.5 29.31,-25.05 29.93,-25.26 30.41,-25.26 30.48,-25.28 30.55,-25.32 30.64,-25.42 30.71,-25.46 30.78,-25.47 31.1,-25.47 31.1,-26.27 30.78,-26.27 30.71,-26.29 30.64,-26.33 30.64,-26.34 30.57,-26.38 30.5,-26.4 30.3,-26.4 29.94,-26.54 29.8,-26.9 29.8,-27.57 29.84,-27.77 29.94,-27.93 29.98,-27.96 30.04,-28.01 30.12,-28.02 31.79,-28.02 31.79,-28.27 29.93,-28.27 29.93,-28.27 29.53,-28.27 29.33,-28.23 29.17,-28.12 27.22,-26.17 27.06,-25.96 26.96,-25.71 26.96,-20.49 28.96,-20.49
N8193859 on TOP (solid shape): 34.14,-26.37 32.98,-27.53 32.98,-27.77 32.27,-27.77 32.27,-27.52 32.34,-27.52 32.38,-27.51 32.41,-27.49 33.51,-26.4 33.53,-26.36 33.54,-26.32 33.54,-25.87 34.14,-25.87
N8193871 on TOP (solid shape): 31.74,-30.42 31.75,-30.45 31.77,-30.49 31.86,-30.58 31.88,-30.61 31.89,-30.65 31.89,-31.47 31.29,-31.47 31.29,-30.65 31.3,-30.61 31.32,-30.58 31.46,-30.43 31.48,-30.4 31.49,-30.36 31.49,-29.75 31.74,-29.75
N8195611 on TOP (solid shape): 46.58,-25.08 46.65,-25.11 46.68,-25.18 46.68,-25.63 45.66,-25.63 45.58,-25.61 45.52,-25.57 45.48,-25.53 45.41,-25.49 45.34,-25.47 42.93,-25.47 42.79,-25.53 42.73,-25.67 42.73,-26.27 42.33,-26.27 42.33,-25.28 42.39,-25.14 42.53,-25.08
N8195707 on TOP (solid shape): 39.21,-24.55 39.57,-25.07 40.16,-25.26 40.64,-25.26 40.72,-25.28 40.78,-25.32 40.87,-25.42 40.94,-25.46 41.02,-25.47 41.33,-25.47 41.33,-26.27 41.02,-26.27 40.94,-26.29 40.87,-26.33 40.87,-26.34 40.8,-26.38 40.73,-26.4 40.53,-26.4 40.18,-26.54 40.03,-26.9 40.03,-27.57 40.07,-27.77 40.18,-27.93 40.21,-27.96 40.28,-28.01 40.35,-28.02 42.02,-28.02 42.02,-28.27 40.17,-28.27 40.17,-28.27 39.76,-28.27 39.57,-28.23 39.41,-28.12 37.46,-26.17 37.31,-25.98 37.21,-25.76 37.21,-20.49 39.21,-20.49
N8196141 on TOP (solid shape): 44.37,-26.38 43.21,-27.54 43.21,-27.77 42.51,-27.77 42.51,-27.52 42.58,-27.52 42.62,-27.51 42.65,-27.49 43.74,-26.41 43.76,-26.38 43.77,-26.34 43.77,-25.88 44.37,-25.88
N8196153 on TOP (solid shape): 41.97,-30.42 41.98,-30.46 42,-30.49 42.09,-30.58 42.11,-30.61 42.12,-30.65 42.12,-31.47 41.52,-31.47 41.52,-30.65 41.53,-30.61 41.55,-30.58 41.69,-30.43 41.72,-30.4 41.72,-30.36 41.72,-29.75 41.97,-29.75
GND on TOP (solid shape): 12.51,-41.28 12.45,-41.42 12.31,-41.48 11.14,-41.48 11.07,-41.45 11.04,-41.38 11.04,-40.6 11.1,-40.45 11.24,-40.4 12.51,-40.4
GND on TOP (solid shape): 22.7,-41.28 22.64,-41.42 22.5,-41.48 21.34,-41.48 21.26,-41.45 21.23,-41.38 21.23,-40.6 21.29,-40.45 21.43,-40.4 22.7,-40.4
GND on TOP (solid shape): 32.95,-41.28 32.89,-41.42 32.75,-41.48 31.58,-41.48 31.51,-41.45 31.48,-41.38 31.48,-40.6 31.54,-40.45 31.68,-40.4 32.95,-40.4
GND on TOP (solid shape): 43.27,-41.28 43.21,-41.42 43.07,-41.48 41.91,-41.48 41.83,-41.45 41.8,-41.38 41.8,-40.6 41.86,-40.45 42.01,-40.4 43.27,-40.4
VBAT_IN on TOP (solid shape): 15.78,-38.69 15.85,-38.72 15.88,-38.79 15.88,-39.82 15.87,-39.83 15.86,-39.84 13.6,-39.84 13.56,-39.83 13.52,-39.81 13.39,-39.68 13.36,-39.65 13.32,-39.65 10.99,-39.65 10.99,-39.4 14.19,-39.4 14.39,-39.36 14.55,-39.25 15.03,-38.76 15.11,-38.71 15.21,-38.69
VBAT_IN on TOP (solid shape): 25.97,-38.69 26.04,-38.72 26.07,-38.79 26.07,-39.82 26.07,-39.83 26.05,-39.84 23.75,-39.84 23.71,-39.83 23.68,-39.81 23.54,-39.68 23.51,-39.65 23.47,-39.65 21.18,-39.65 21.18,-39.4 24.39,-39.4 24.58,-39.36 24.74,-39.25 25.23,-38.76 25.31,-38.71 25.4,-38.69
VBAT_IN on TOP (solid shape): 36.22,-38.69 36.29,-38.72 36.32,-38.79 36.32,-39.82 36.31,-39.83 36.3,-39.84 34.03,-39.84 33.99,-39.83 33.96,-39.81 33.83,-39.68 33.8,-39.65 33.76,-39.65 31.43,-39.65 31.43,-39.4 34.63,-39.4 34.82,-39.36 34.99,-39.25 35.47,-38.76 35.55,-38.71 35.65,-38.69
VBAT_IN on TOP (solid shape): 46.54,-38.69 46.61,-38.72 46.64,-38.79 46.64,-39.82 46.64,-39.83 46.62,-39.84 44.33,-39.84 44.3,-39.83 44.26,-39.81 44.13,-39.68 44.1,-39.65 44.06,-39.65 41.76,-39.65 41.76,-39.4 44.96,-39.4 45.15,-39.36 45.31,-39.25 45.8,-38.76 45.88,-38.71 45.97,-38.69
VBAT_IN on TOP (solid shape): 8.1,-28.36 8.13,-28.36 8.17,-28.39 8.27,-28.49 8.31,-28.51 8.34,-28.52 11.3,-28.52 11.3,-28.77 7.47,-28.77 7.43,-28.78 7.39,-28.8 7.06,-29.14 7.04,-29.17 7.03,-29.21 7.03,-29.31 7,-29.38 6.93,-29.41 6.34,-29.41 6.27,-29.38 6.25,-29.31 6.25,-28.46 6.27,-28.39 6.34,-28.36
VBAT_IN on TOP (solid shape): 18.3,-28.36 18.34,-28.36 18.37,-28.39 18.48,-28.49 18.51,-28.51 18.55,-28.52 21.5,-28.52 21.5,-28.77 17.67,-28.77 17.64,-28.78 17.6,-28.8 17.27,-29.14 17.24,-29.17 17.24,-29.21 17.24,-29.31 17.21,-29.38 17.14,-29.41 16.55,-29.41 16.48,-29.38 16.45,-29.31 16.45,-28.46 16.48,-28.39 16.55,-28.36
VBAT_IN on TOP (solid shape): 28.59,-28.36 28.63,-28.36 28.66,-28.39 28.77,-28.49 28.8,-28.51 28.84,-28.52 31.79,-28.52 31.79,-28.77 27.96,-28.77 27.92,-28.78 27.89,-28.8 27.55,-29.14 27.53,-29.17 27.52,-29.21 27.52,-29.31 27.49,-29.38 27.42,-29.41 26.84,-29.41 26.77,-29.38 26.74,-29.31 26.74,-28.46 26.77,-28.39 26.84,-28.36
VBAT_IN on TOP (solid shape): 38.82,-28.36 38.86,-28.36 38.89,-28.39 39,-28.49 39.03,-28.51 39.07,-28.52 42.02,-28.52 42.02,-28.77 38.19,-28.77 38.15,-28.78 38.12,-28.8 37.78,-29.14 37.76,-29.17 37.76,-29.21 37.76,-29.31 37.73,-29.38 37.66,-29.41 37.07,-29.41 37,-29.38 36.97,-29.31 36.97,-28.46 37,-28.39 37.07,-28.36
VBAT_IN on BOTTOM (solid shape): 9.85,-35.69 9.92,-35.72 9.95,-35.79 9.95,-35.99 9.92,-36.06 9.85,-36.09 6.34,-36.09 6.27,-36.06 6.25,-35.99 6.25,-35.79 6.27,-35.72 6.34,-35.69
VBAT_IN on BOTTOM (solid shape): 9.86,-31.93 9.93,-31.96 9.96,-32.03 9.96,-32.23 9.93,-32.3 9.86,-32.33 6.36,-32.33 6.29,-32.3 6.26,-32.23 6.26,-32.03 6.29,-31.96 6.36,-31.93
VBAT_IN on BOTTOM (solid shape): 15.91,-35.69 15.98,-35.72 16.01,-35.79 16.01,-35.99 15.98,-36.06 15.91,-36.09 12.41,-36.09 12.34,-36.06 12.31,-35.99 12.31,-35.79 12.34,-35.72 12.41,-35.69
VBAT_IN on BOTTOM (solid shape): 20.02,-35.69 20.09,-35.72 20.12,-35.79 20.12,-35.99 20.09,-36.06 20.02,-36.09 16.53,-36.09 16.46,-36.06 16.43,-35.99 16.43,-35.79 16.46,-35.72 16.53,-35.69
VBAT_IN on BOTTOM (solid shape): 26.13,-35.7 26.2,-35.73 26.23,-35.8 26.23,-36 26.2,-36.07 26.13,-36.1 22.63,-36.1 22.56,-36.07 22.53,-36 22.53,-35.8 22.56,-35.73 22.63,-35.7
VBAT_IN on BOTTOM (solid shape): 30.33,-35.7 30.4,-35.73 30.43,-35.8 30.43,-36 30.4,-36.07 30.33,-36.1 26.84,-36.1 26.77,-36.07 26.74,-36 26.74,-35.8 26.77,-35.73 26.84,-35.7
VBAT_IN on BOTTOM (solid shape): 36.4,-35.7 36.47,-35.73 36.5,-35.8 36.5,-36 36.47,-36.07 36.4,-36.1 32.91,-36.1 32.84,-36.07 32.81,-36 32.81,-35.8 32.84,-35.73 32.91,-35.7
VBAT_IN on BOTTOM (solid shape): 40.56,-35.7 40.63,-35.73 40.66,-35.8 40.66,-36 40.63,-36.07 40.56,-36.1 37.06,-36.1 36.99,-36.07 36.96,-36 36.96,-35.8 36.99,-35.73 37.06,-35.7
VBAT_IN on BOTTOM (solid shape): 46.28,-35.69 46.35,-35.72 46.38,-35.79 46.38,-35.99 46.35,-36.06 46.28,-36.09 42.7,-36.09 42.63,-36.06 42.6,-35.99 42.6,-35.79 42.63,-35.72 42.7,-35.69
VBAT_IN on BOTTOM (solid shape): 15.87,-31.93 15.97,-31.97 16.02,-32.08 16.02,-32.18 15.97,-32.28 15.87,-32.33 12.46,-32.33 12.36,-32.28 12.32,-32.18 12.32,-32.08 12.36,-31.97 12.46,-31.93
VBAT_IN on BOTTOM (solid shape): 19.98,-31.92 20.09,-31.96 20.13,-32.07 20.13,-32.18 20.09,-32.28 19.98,-32.33 16.6,-32.33 16.49,-32.28 16.45,-32.18 16.45,-32.07 16.49,-31.96 16.6,-31.92
VBAT_IN on BOTTOM (solid shape): 26.09,-31.92 26.2,-31.96 26.24,-32.07 26.24,-32.18 26.2,-32.28 26.09,-32.33 22.68,-32.33 22.57,-32.28 22.53,-32.18 22.53,-32.07 22.57,-31.96 22.68,-31.92
VBAT_IN on BOTTOM (solid shape): 30.27,-31.93 30.37,-31.97 30.42,-32.08 30.42,-32.18 30.37,-32.28 30.27,-32.33 26.9,-32.33 26.79,-32.28 26.75,-32.18 26.75,-32.08 26.79,-31.97 26.9,-31.93
VBAT_IN on BOTTOM (solid shape): 36.35,-31.93 36.45,-31.97 36.5,-32.08 36.5,-32.18 36.45,-32.28 36.35,-32.33 32.96,-32.33 32.85,-32.28 32.81,-32.18 32.81,-32.08 32.85,-31.97 32.96,-31.93
VBAT_IN on BOTTOM (solid shape): 40.52,-31.92 40.62,-31.96 40.66,-32.07 40.66,-32.17 40.62,-32.28 40.52,-32.32 37.1,-32.32 36.99,-32.28 36.95,-32.17 36.95,-32.07 36.99,-31.96 37.1,-31.92
VBAT_IN on PWR-L6 (solid shape): outline of 263 points within 6.25,-39.84 46.69,-28.36
VDD_SOC_IN_IN on BOTTOM (solid shape): 59.4,-25.93 59.47,-25.96 59.5,-26.03 59.5,-26.69 59.44,-26.83 59.3,-26.89 59.27,-26.89 59.06,-26.98 58.97,-27.19 58.97,-27.6 58.37,-27.6 58.29,-27.61 58.23,-27.66 58.03,-27.85 57.99,-27.91 57.98,-27.99 57.98,-28.21 57.99,-28.28 58.03,-28.35 58.23,-28.54 58.29,-28.58 58.37,-28.6 58.97,-28.6 58.97,-29.01 58.88,-29.22 58.67,-29.31 55.37,-29.31 55.02,-29.16 54.87,-28.81 54.87,-26.43 55.02,-26.08 55.37,-25.93
VDD_SOC_IN_PWR on TOP (solid shape): 33.37,-15.29 33.51,-15.35 33.57,-15.49 33.57,-16.65 33.63,-16.79 33.77,-16.85 36.35,-16.85 36.38,-16.86 36.4,-16.9 36.4,-20.8 36.38,-20.84 36.35,-20.85 34.74,-20.85 34.66,-20.87 34.59,-20.91 34.1,-21.41 34.06,-21.47 34.04,-21.55 34.04,-24.49 32.04,-24.49 32.04,-20.14 32.1,-20 32.24,-19.94 33.86,-19.94 33.9,-19.93 33.93,-19.91 34.11,-19.73 34.14,-19.71 34.18,-19.7 35.23,-19.7 35.3,-19.67 35.33,-19.6 35.33,-17.68 35.3,-17.61 35.23,-17.58 32.24,-17.58 32.1,-17.53 32.04,-17.38 32.04,-15.49 32.1,-15.35 32.24,-15.29
VDD_SOC_IN_PWR on PWR-L6 (solid shape): 36.11,-15.29 36.26,-15.35 36.31,-15.49 36.31,-24.3 36.35,-24.49 36.46,-24.65 36.47,-24.66 36.47,-28.35 36.45,-28.43 36.41,-28.5 36.37,-28.54 36.34,-28.57 36.34,-28.61 36.34,-29.49 36.32,-29.53 36.29,-29.54 35.79,-29.54 35.75,-29.53 35.74,-29.49 35.74,-29.06 35.74,-29.04 35.75,-29.03 35.92,-28.86 36.03,-28.7 36.07,-28.5 36.07,-26.26 36.03,-26.07 35.92,-25.9 34.65,-24.63 34.49,-24.53 34.3,-24.49 32.09,-24.49 32.05,-24.47 32.04,-24.44 32.04,-15.49 32.1,-15.35 32.24,-15.29
DCDC_3V3_PWR on PWR-L6 (solid shape): 26.03,-15.29 26.17,-15.35 26.23,-15.49 26.23,-28.33 26.22,-28.41 26.17,-28.47 26.14,-28.51 26.09,-28.57 26.08,-28.65 26.08,-29.44 26.05,-29.51 25.98,-29.54 25.57,-29.54 25.5,-29.51 25.48,-29.44 25.48,-28.98 25.49,-28.9 25.54,-28.84 25.75,-28.63 25.79,-28.56 25.81,-28.48 25.81,-26.29 25.77,-26.1 25.66,-25.94 24.36,-24.63 24.2,-24.53 24.01,-24.49 21.93,-24.49 21.79,-24.43 21.73,-24.29 21.73,-15.49 21.79,-15.35 21.93,-15.29
DCDC_5V_PWR on TOP (solid shape): 13.23,-15.29 13.37,-15.35 13.43,-15.49 13.43,-16.65 13.49,-16.79 13.63,-16.85 15.95,-16.85 16.02,-16.88 16.05,-16.95 16.05,-20.75 16.02,-20.82 15.95,-20.85 14.52,-20.85 13.81,-21.14 13.52,-21.85 13.52,-24.49 11.52,-24.49 11.52,-20.04 11.55,-19.97 11.62,-19.94 13.57,-19.94 13.61,-19.93 13.64,-19.91 13.82,-19.73 13.85,-19.71 13.89,-19.7 14.94,-19.7 15.01,-19.67 15.04,-19.6 15.04,-17.68 15.01,-17.61 14.94,-17.58 11.5,-17.58 11.35,-17.53 11.29,-17.38 11.29,-15.49 11.35,-15.35 11.5,-15.29
DCDC_5V_PWR on PWR-L6 (solid shape): 15.79,-15.29 15.9,-15.33 15.98,-15.42 15.98,-28.34 15.85,-28.47 15.85,-29.34 15.79,-29.48 15.65,-29.54 15.45,-29.54 15.31,-29.48 15.25,-29.34 15.25,-28.18 15.26,-28.1 15.31,-28.04 15.52,-27.83 15.56,-27.76 15.58,-27.68 15.58,-26.3 15.54,-26.11 15.43,-25.95 14.12,-24.63 13.95,-24.53 13.76,-24.49 11.72,-24.49 11.58,-24.43 11.52,-24.29 11.52,-15.49 11.58,-15.35 11.72,-15.29
DRAM_1V35_PWR on PWR-L6 (solid shape): 41.57,-15.29 41.71,-15.35 41.77,-15.49 41.77,-18.43 41.8,-18.62 41.91,-18.78 42.78,-19.65 42.94,-19.76 43.14,-19.8 46.52,-19.8 46.66,-19.86 46.72,-20 46.72,-28.83 46.71,-28.91 46.66,-28.97 46.61,-29.03 46.6,-29.04 46.59,-29.06 46.59,-29.49 46.58,-29.53 46.54,-29.54 46.04,-29.54 46.01,-29.53 45.99,-29.49 45.99,-29.06 46,-29.04 46.01,-29.03 46.18,-28.86 46.28,-28.7 46.32,-28.5 46.32,-26.39 46.28,-26.19 46.18,-26.03 44.78,-24.63 44.62,-24.53 44.42,-24.49 42.34,-24.49 42.3,-24.47 42.29,-24.44 42.29,-21.98 42.25,-21.79 42.14,-21.62 41,-20.49 40.37,-19.85 40.2,-19.74 40.01,-19.7 37.22,-19.7 37.07,-19.65 37.02,-19.5 37.02,-15.49 37.07,-15.35 37.22,-15.29
Net_12 on BOTTOM (solid shape): 20.83,-57.95 20.91,-57.97 20.97,-58.01 21.24,-58.28 21.26,-58.29 22.04,-58.29 22.06,-58.28 22.33,-58.01 22.39,-57.97 22.47,-57.95 22.89,-57.95 22.89,-58.76 22.88,-58.78 22.87,-58.79 20.4,-58.79 20.39,-58.78 20.38,-58.76 20.38,-57.95
Net_24 on BOTTOM (solid shape): 38.61,-58.15 38.77,-58.26 38.96,-58.3 39.79,-58.3 39.98,-58.26 40.14,-58.15 40.34,-57.95 40.74,-57.95 40.74,-58.78 40.74,-58.79 40.72,-58.8 38.03,-58.8 38.01,-58.79 38.01,-58.78 38.01,-57.95 38.41,-57.95
Net_40 on PWR-L6 (solid shape): 6.9,-38.55 6.97,-38.58 7,-38.65 7,-39.13 6.98,-39.21 6.94,-39.27 6.73,-39.49 6.69,-39.55 6.67,-39.63 6.67,-40.26 6.69,-40.34 6.73,-40.4 7.12,-40.79 7.16,-40.86 7.18,-40.93 7.18,-43.25 7.23,-43.39 7.38,-43.44 8.33,-43.44 8.41,-43.46 8.47,-43.5 8.49,-43.52 8.55,-43.56 8.63,-43.58 10.35,-43.58 10.49,-43.64 10.55,-43.78 10.55,-47.5 10.56,-47.57 10.61,-47.64 11.26,-48.3 11.33,-48.34 11.4,-48.36 15.7,-48.36 15.84,-48.41 15.9,-48.56 15.9,-52.65 15.84,-52.79 15.7,-52.85 11.54,-52.85 11.4,-52.79 11.34,-52.65 11.34,-50.07 11.32,-49.99 11.28,-49.93 9.4,-48.05 9.34,-48.01 9.26,-48 6.52,-48 6.37,-47.94 6.32,-47.8 6.32,-43.3 6.27,-43.24 6.27,-39.63 6.29,-39.55 6.33,-39.49 6.34,-39.47 6.38,-39.41 6.4,-39.33 6.4,-38.65 6.43,-38.58 6.5,-38.55
Net_41 on BOTTOM (solid shape): 15.61,-49.82 15.68,-49.85 15.71,-49.92 15.71,-50.12 15.68,-50.19 15.61,-50.22 12.09,-50.22 12.02,-50.19 11.99,-50.12 11.99,-49.92 12.02,-49.85 12.09,-49.82
Net_42 on BOTTOM (solid shape): 8.02,-43.65 8.09,-43.68 8.12,-43.75 8.12,-47.23 8.09,-47.3 8.02,-47.33 7.82,-47.33 7.75,-47.3 7.72,-47.23 7.72,-43.75 7.75,-43.68 7.82,-43.65
Net_47 on PWR-L6 (solid shape): 17.28,-38.55 17.42,-38.61 17.48,-38.75 17.48,-42.99 17.5,-43.06 17.54,-43.13 17.8,-43.39 17.86,-43.43 17.94,-43.44 18.53,-43.44 18.6,-43.46 18.67,-43.5 18.69,-43.52 18.75,-43.56 18.83,-43.58 20.54,-43.58 20.69,-43.64 20.74,-43.78 20.74,-46.94 20.76,-47.01 20.8,-47.08 22.08,-48.36 22.15,-48.4 22.23,-48.42 25.79,-48.42 25.93,-48.48 25.99,-48.62 25.99,-50.17 25.93,-50.32 25.79,-50.38 24.36,-50.38 24.22,-50.43 24.16,-50.58 24.16,-52.65 24.1,-52.79 23.96,-52.85 16.8,-52.85 16.66,-52.79 16.6,-52.65 16.6,-43.19 16.59,-43.15 16.57,-43.12 16.51,-43.06 16.49,-43.03 16.48,-42.99 16.48,-39.75 16.54,-39.6 16.68,-39.55 17.01,-39.55 17.15,-39.49 17.21,-39.34 17.21,-39.25 17.15,-39.11 17.01,-39.05 16.81,-39.05 16.67,-38.99 16.61,-38.85 16.61,-38.75 16.67,-38.61 16.81,-38.55
Net_48 on BOTTOM (solid shape): 25.58,-49.82 25.65,-49.85 25.68,-49.92 25.68,-50.12 25.65,-50.19 25.58,-50.22 21.95,-50.22 21.88,-50.19 21.85,-50.12 21.85,-49.92 21.88,-49.85 21.95,-49.82
Net_49 on BOTTOM (solid shape): 18.37,-43.56 18.44,-43.59 18.47,-43.66 18.47,-47.33 18.44,-47.4 18.37,-47.43 18.17,-47.43 18.1,-47.4 18.07,-47.33 18.07,-43.66 18.1,-43.59 18.17,-43.56
Net_52 on PWR-L6 (solid shape): 27.55,-38.55 27.69,-38.61 27.75,-38.75 27.75,-43.25 27.81,-43.39 27.95,-43.44 28.77,-43.44 28.84,-43.46 28.91,-43.5 28.93,-43.52 28.99,-43.56 29.07,-43.58 30.79,-43.58 30.93,-43.64 30.98,-43.78 30.98,-48.16 31.04,-48.3 31.18,-48.36 36.05,-48.36 36.2,-48.41 36.25,-48.56 36.25,-50.17 36.2,-50.32 36.05,-50.38 34.43,-50.38 34.28,-50.43 34.23,-50.58 34.23,-52.65 34.17,-52.79 34.03,-52.85 27.07,-52.85 26.93,-52.79 26.87,-52.65 26.87,-43.19 26.86,-43.15 26.84,-43.12 26.8,-43.07 26.77,-43.04 26.77,-43 26.77,-39.75 26.83,-39.6 26.97,-39.55 27.3,-39.55 27.44,-39.49 27.5,-39.34 27.5,-39.25 27.44,-39.11 27.3,-39.05 27.1,-39.05 26.96,-38.99 26.9,-38.85 26.9,-38.75 26.96,-38.61 27.1,-38.55
Net_53 on BOTTOM (solid shape): 28.64,-43.62 28.71,-43.65 28.74,-43.72 28.74,-47.2 28.71,-47.27 28.64,-47.3 28.44,-47.3 28.37,-47.27 28.34,-47.2 28.34,-43.72 28.37,-43.65 28.44,-43.62
Net_54 on BOTTOM (solid shape): 35.84,-49.82 35.92,-49.85 35.95,-49.92 35.95,-50.12 35.92,-50.19 35.84,-50.22 32.34,-50.22 32.27,-50.19 32.24,-50.12 32.24,-49.92 32.27,-49.85 32.34,-49.82
Net_58 on PWR-L6 (solid shape): 37.79,-38.55 37.93,-38.61 37.99,-38.75 37.99,-43.38 38.05,-43.52 38.19,-43.58 41.09,-43.58 41.23,-43.64 41.29,-43.78 41.29,-47.65 41.31,-47.73 41.35,-47.79 41.75,-48.2 41.8,-48.26 41.81,-48.34 41.81,-52.66 41.75,-52.8 41.61,-52.86 37.27,-52.86 37.13,-52.8 37.07,-52.66 37.07,-40.47 37.06,-40.43 37.04,-40.4 37.02,-40.37 37,-40.34 36.99,-40.3 36.99,-39.75 37.05,-39.6 37.19,-39.55 37.52,-39.55 37.66,-39.49 37.72,-39.34 37.72,-39.25 37.66,-39.11 37.52,-39.05 37.22,-39.05 37.15,-39.02 37.12,-38.95 37.12,-38.65 37.15,-38.58 37.22,-38.55
Net_59 on BOTTOM (solid shape): 40.62,-49.8 40.69,-49.83 40.72,-49.9 40.72,-50.1 40.69,-50.17 40.62,-50.2 37.11,-50.2 37.04,-50.17 37.01,-50.1 37.01,-49.9 37.04,-49.83 37.11,-49.8
Net_60 on BOTTOM (solid shape): 38.83,-43.63 38.9,-43.66 38.93,-43.73 38.93,-47.23 38.9,-47.3 38.83,-47.33 38.63,-47.33 38.56,-47.3 38.53,-47.23 38.53,-43.73 38.56,-43.66 38.63,-43.63
Net_62 on TOP (solid shape): 14.42,-51.38 14.49,-51.41 14.52,-51.48 14.52,-51.88 14.55,-51.95 14.62,-51.98 15.76,-51.98 15.83,-52.01 15.86,-52.08 15.86,-52.75 15.83,-52.82 15.76,-52.85 11.44,-52.85 11.37,-52.82 11.34,-52.75 11.34,-51.92 11.37,-51.85 11.44,-51.83 12.55,-51.83 12.62,-51.8 12.65,-51.72 12.65,-51.48 12.68,-51.41 12.75,-51.38
Net_63 on TOP (solid shape): 22.47,-51.39 22.54,-51.42 22.57,-51.49 22.57,-51.88 22.6,-51.95 22.67,-51.98 24.01,-51.98 24.08,-52.01 24.11,-52.08 24.11,-52.75 24.08,-52.82 24.01,-52.85 19.35,-52.85 19.28,-52.82 19.25,-52.75 19.25,-51.93 19.28,-51.86 19.35,-51.83 20.61,-51.83 20.68,-51.8 20.71,-51.73 20.71,-51.49 20.74,-51.42 20.81,-51.39
Net_64 on TOP (solid shape): 32.54,-51.39 32.61,-51.42 32.64,-51.49 32.64,-51.88 32.67,-51.95 32.74,-51.98 34.08,-51.98 34.15,-52.01 34.18,-52.08 34.18,-52.75 34.15,-52.82 34.08,-52.85 29.43,-52.85 29.35,-52.82 29.32,-52.75 29.32,-51.93 29.35,-51.86 29.43,-51.83 30.68,-51.83 30.75,-51.8 30.78,-51.73 30.78,-51.49 30.81,-51.42 30.88,-51.39
Net_65 on TOP (solid shape): 40.24,-51.39 40.31,-51.42 40.34,-51.49 40.34,-51.88 40.37,-51.95 40.44,-51.98 41.64,-51.98 41.71,-52.01 41.74,-52.08 41.74,-52.75 41.71,-52.82 41.64,-52.85 37.13,-52.85 37.06,-52.82 37.03,-52.75 37.03,-51.93 37.06,-51.86 37.13,-51.83 38.38,-51.83 38.46,-51.8 38.48,-51.73 38.48,-51.49 38.51,-51.42 38.59,-51.39

Small or netless copper shapes (teardrops, artwork), in the pictures only: 1 on TOP, 3 on BOTTOM

## Text on the board
Ref Des/Silkscreen Bottom: LDVX12021OCT25A
User.Comments: ANY QUESTIONS PLEASE CALL 13522296239 YANTAI ELECTRICIAN. | ANY QUESTIONS PLEASE CALL 13522296239 (YANTAI ELECTRICIAN) | V-CUTx4 FOR BREAK | V-CUTx4 FOR SMT
Ref Des/Silkscreen Top: LDVX32021OCT25A | LDVX42021OCT25A | LDVX22021OCT25A
User.23: FIGURE | FINISHED_SIZE | 0.15 | 0.2 | 1.0 | 3.2 | TOOL_SIZE | - | ROTATION | BY LAYER: TOP to GND-L2 | ALL UNITS ARE IN MILLIMETERS | TOLERANCE_DRILL | +0.0/-0.0 | TOLERANCE_TRAVEL | PLATED | NON-PLATED | QTY | 915 | 1412 | 1 | 16 | 2344 | TOTAL HOLES:
